# Altium PCB Project_2_Slave_PCB_V1_2.PcbDoc (continued)
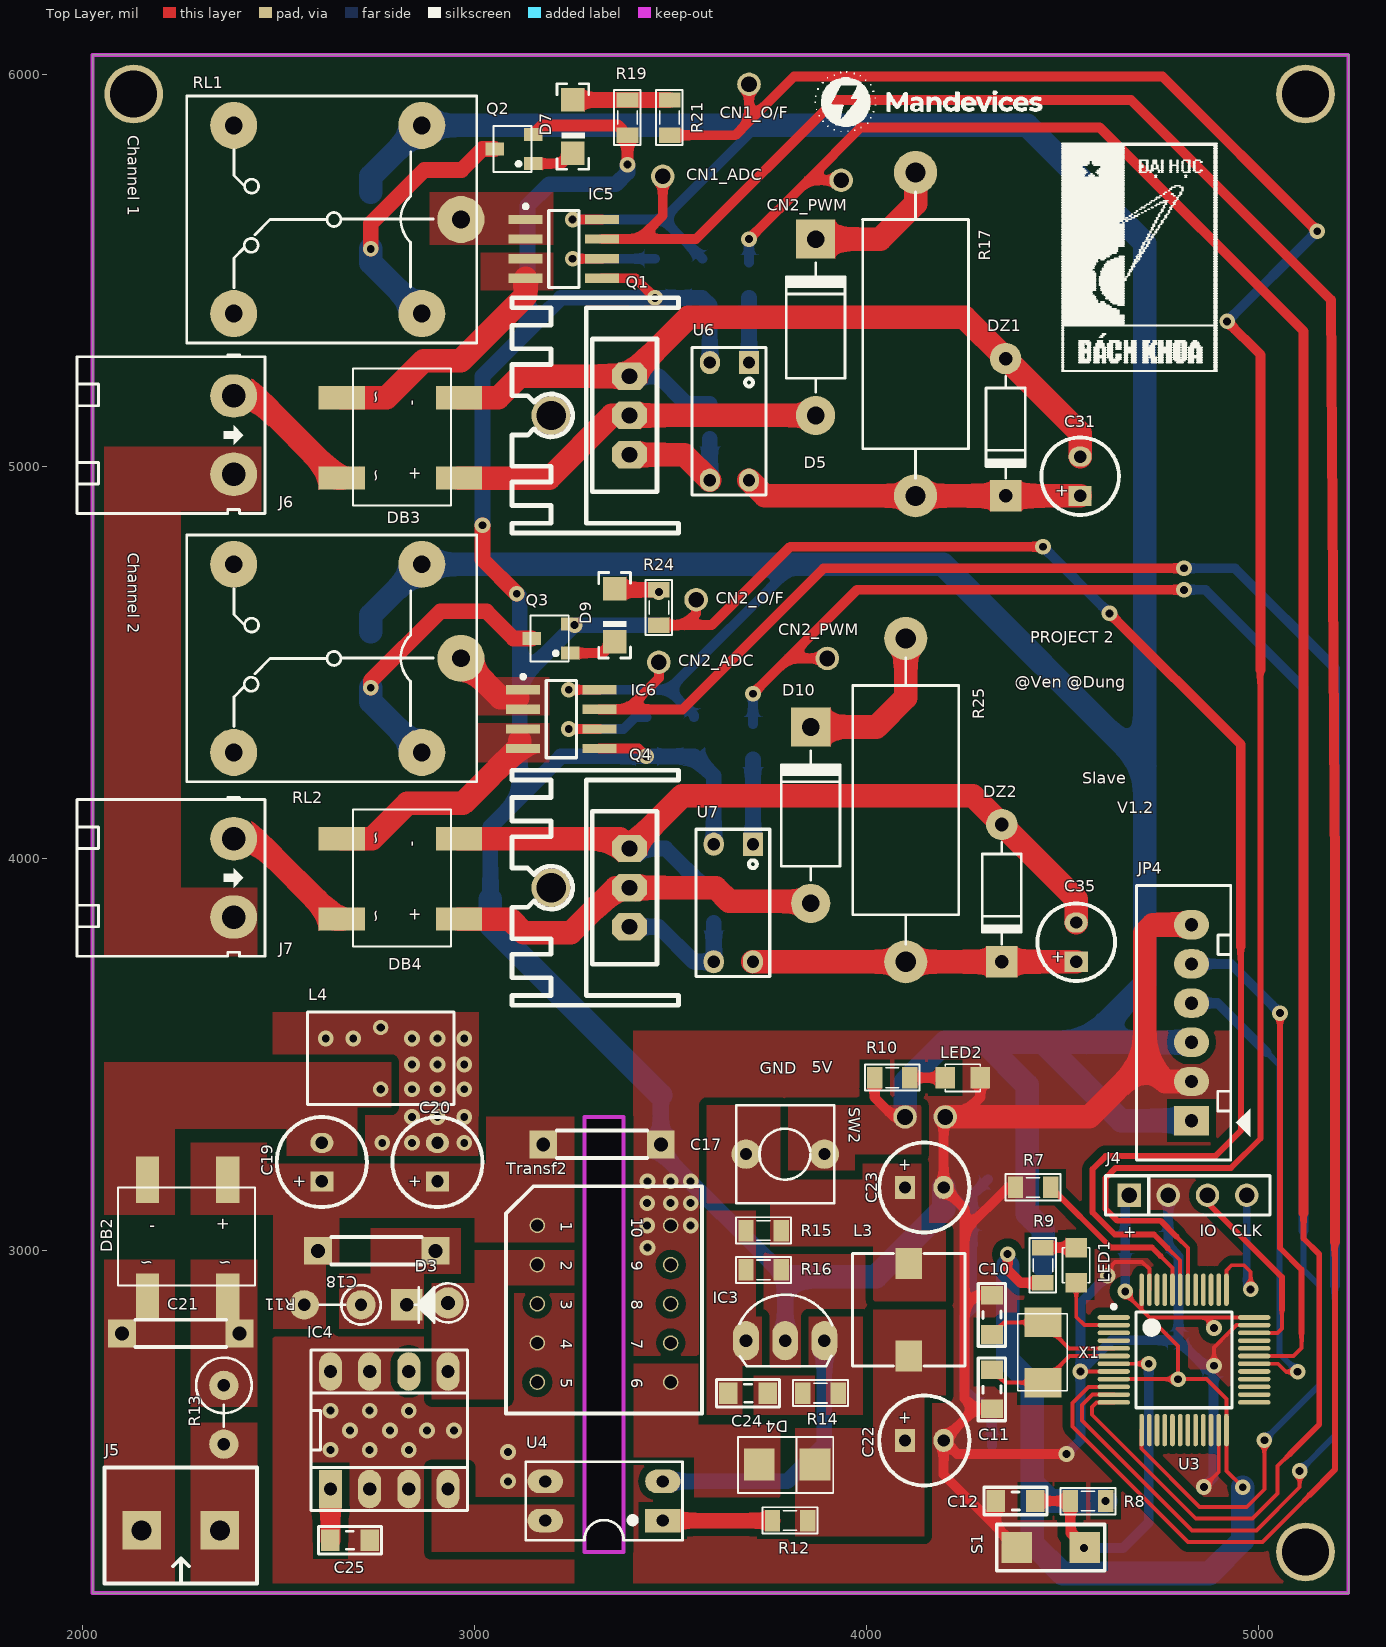
[diagram p0: Top Layer view]
## Footprints (in the part's own frame and the unit in brackets; to place one, negate y for a bottom-side part, rotate by r counter-clockwise, add the part's x,y. Pads: shape width x height; smd on the part's side, far side on the other; paste and mask are expansions set on the pad) (continued)
KF2-5.08 [mm]
  rect 2.5x2.5 hole 1.3: 1(-2.54,0) 2(2.54,0)
  silkscreen extent -4.95,-4.08 4.95,3.43, body extent -5,-4.07 5,3.43, height 10
KF2-5.08T [mil] "Header 2, 2 pin, hight 300mil, Pin to Pin 200, Colour Green"
  oval 110x120 hole 60: 1(0,0) 2(200,0)
  silkscreen extent -105,-400 300,80, body extent -97,-399 297,73, height 334
L-DIP-M-9.5x6 [mm] "Body 9.5x6mm, 2 leads"
  round 1 hole 0.55: 1(-2,0) 2(2,0)
  silkscreen extent -3,-4.75 3,4.75, body extent -2.85,-4.75 2.85,4.75, height 9.75
L-SMD-M-7.3x4.5 [mm] "WE-PDA SMD Shielded Power Inductor, 7345"
  rect 1.7x2 smd: 1(0,3) 2(0,-3)
  silkscreen extent -3.65,-3.65 3.65,3.65, body extent -3.65,-3.65 3.65,3.65, height 4.05
LED-0805-Blue [mil]
  rect 50x55 smd: 1(0,0) 2(90,0)
  silkscreen extent 0,-35 90,35, body extent 5,-25 85,25, height 43
LED-0805-Red [mil]
  rect 50x55 smd: 1(0,0) 2(90,0)
  silkscreen extent 0,-35 90,35, body extent 5,-25 85,25, height 43
LM1117-SOP [mm]
  rect 0.7x2.54 smd: 1(-2.3,-1.27) 2(0,-1.27) 3(2.3,-1.27)
  rect 3x2.54 smd: 2(0,4.826)
  silkscreen extent -3.17,0 3.17,3.56, body extent -3.25,-1.78 3.25,5.18, height 1.68
"LQFP 48" [mm] "LQFP, 48-Leads, Body 7,00x7,00mm, Pitch 0,50mm, IPC Medium Density"
  oval 2.1x0.3 smd: 1(-4.55,2.75) 2(-4.55,2.25) 3(-4.55,1.75) 4(-4.55,1.25) 5(-4.55,0.75) 6(-4.55,0.25) 7(-4.55,-0.25) 8(-4.55,-0.75) 9(-4.55,-1.25) 10(-4.55,-1.75) 11(-4.55,-2.25) 12(-4.55,-2.75) 25(4.55,-2.75) 26(4.55,-2.25) 27(4.55,-1.75) 28(4.55,-1.25) 29(4.55,-0.75) 30(4.55,-0.25) 31(4.55,0.25) 32(4.55,0.75) 33(4.55,1.25) 34(4.55,1.75) 35(4.55,2.25) 36(4.55,2.75)
  oval 0.3x2.1 smd: 13(-2.75,-4.55) 14(-2.25,-4.55) 15(-1.75,-4.55) 16(-1.25,-4.55) 17(-0.75,-4.55) 18(-0.25,-4.55) 19(0.25,-4.55) 20(0.75,-4.55) 21(1.25,-4.55) 22(1.75,-4.55) 23(2.25,-4.55) 24(2.75,-4.55) 37(2.75,4.55) 38(2.25,4.55) 39(1.75,4.55) 40(1.25,4.55) 41(0.75,4.55) 42(0.25,4.55) 43(-0.25,4.55) 44(-0.75,4.55) 45(-1.25,4.55) 46(-1.75,4.55) 47(-2.25,4.55) 48(-2.75,4.55)
  silkscreen extent -4.67,-3.1 3.1,3.57, body extent -4.5,-4.5 4.5,4.5, height 1.6
OPTO [mm]
  rect 1.5x1.3 hole 0.8: 1(-0.025,0)
  oval 1.5x1.3 hole 0.8: 2(-0.025,-2.54) 3(7.595,-2.54) 4(7.595,0)
  silkscreen extent -0.99,-3.68 8.56,1.09, body extent -0.13,-3.59 7.75,1, height 4.81
qto-92 [mil] "TO-92"
  oval 66x100 hole 32: 1(-100,0) 2(0,0) 3(100,0)
  silkscreen extent -117,-65 120,118, body extent -109,-66 109,95, height 245
QTO-220H3 [mil] "TO-220 1-2-3"
  oct 70x90 hole 40: 1(0,0) 2(100,0) 3(200,0)
  round 100 hole 75: ""(100,200)
  silkscreen extent -200,-125 400,300, body extent -190,-102 392,323, height 984
RES-1/4WD [mil]
  round 75 hole 31.5: 1(-65,0) 2(80,0)
  silkscreen extent -115,-50 40,50, body extent -112,-45 92,46, height 379
RES-1WD [mil]
  round 75 hole 31.5: 1(-65,0) 2(85,0)
  silkscreen extent -136,-71 40,71, body extent -135,-67 105,67, height 498
RES-2W [mil] "R2W, 2 pin, 700mil"
  round 110 hole 51.18: 1(-405,5) 2(420,5)
  silkscreen extent -355,-130 375,140, body extent -428,-126 446,134, height 277
RES-SMD-0805 [mil]
  rect 39.37x55 smd: 1(-45,0) 2(45,0)
  silkscreen extent -70,-34 70,33, body extent -39,-25 39,25, height 31
RL_SPDT_10A [mil] "Relay SPDT, 5 pin, 10A,W 650mil, L 800mil, H 800mil"
  round 120 hole 45: 1(0,0) 2(580,240) 3(580,-240) 4(100,-240) 5(100,240)
  silkscreen extent -40,-315 700,315
SOIC-8 [mm] "SOIC, 8-Leads, Body 5,0x4,0mm (max), Pitch 1,27mm, IPC Medium Density"
  rect 2.2x0.6 smd: 1(-2.475,1.905) 2(-2.475,0.635) 3(-2.475,-0.635) 4(-2.475,-1.905) 5(2.475,-1.905) 6(2.475,-0.635) 7(2.475,0.635) 8(2.475,1.905)
  silkscreen extent -2.6,-2.5 0.98,2.88, body extent -3.2,-2.5 3.2,2.5, height 1.75
SOT23D [mm] "SOT 23C - 1-3-2 - BCE"
  rect 0.85x1.2 smd: 1(-0.95,-1.25) 2(0.94,-1.245) 3(0,1.25)
  silkscreen extent -1.5,-1.14 1.5,1.32, body extent -1.5,-1.17 1.5,1.33, height 1.06
SW2 [mil] "SW button 2pin, 250x 250 mil"
  round 75 hole 31: 1(0,0) 2(200,0)
  silkscreen extent -25,-125 225,125
"SW 3x2x4" [mm]
  rect 2x2 smd: 1(-2.2,0) 2(2.2,0)
  silkscreen extent -3.5,-1.5 3.5,1.5, body extent -2.45,-1.45 2.45,1.45, height 2
"Transformer EE12.7" [mm]
  round 1 hole 0.8: 1(-5.08,-4.318) 2(-2.54,-4.318) 3(0,-4.318) 4(2.54,-4.318) 5(5.08,-4.318) 6(5.08,4.318) 7(2.54,4.318) 8(0,4.318) 9(-2.54,4.318) 10(-5.08,4.318)
  silkscreen extent -7.62,-6.35 7.11,6.35
"XTAL 5032 SMD" [mm] "SMD 5032 XTAL Footprint"
  rect 1.9x2.4 smd: 1(-1.981,0) 2(1.93,0)
  silkscreen extent -2.51,-1.57 2.49,1.63, body extent -2.5,-1.6 2.5,1.6, height 1.31

## Part data
C10 C11 C12 C13 C14 C15 C16 C24 C25 C27 C29 C30 C32 C33 C34: library part CapSMD, "Capacitor", LatestRevisionDate=17-Jul-2002, LatestRevisionNote="Re-released for DXP Platform.", PackageReference=RAD-0.3, Published=8-Jun-2000, Publisher="Altium Limited"
C17 C18: library part Cap2KV, "CAP CERAMIC", LatestRevisionDate=17-Jul-2002, LatestRevisionNote="Re-released for DXP Platform.", PackageReference=RAD-0.3, Published=8-Jun-2000, Publisher="Altium Limited"
C19 C20 C22 C23: library part "Cap Pol", "Polarized Capacitor (Axial)", LatestRevisionDate=17-Jul-2002, LatestRevisionNote="Re-released for DXP Platform.", PackageReference=POLAR0.8, Published=8-Jun-2000, Publisher="Altium Limited"
C21: library part Cap2KV, "Varistor", LatestRevisionDate=17-Jul-2002, LatestRevisionNote="Re-released for DXP Platform.", PackageReference=RAD-0.3, Published=8-Jun-2000, Publisher="Altium Limited"
C26 C28: library part CapSMD, "Capacitor SMD", LatestRevisionDate=17-Jul-2002, LatestRevisionNote="Re-released for DXP Platform.", PackageReference=RAD-0.3, Published=8-Jun-2000, Publisher="Altium Limited"
C31 C35: "Polarized Capacitor (Axial)", LatestRevisionDate=17-Jul-2002, LatestRevisionNote="Re-released for DXP Platform.", PackageReference=POLAR0.8, Published=8-Jun-2000, Publisher="Altium Limited"
D3: library part "Diode SMD", "Diode Schottky / 1N4937", Code - JEDEC=DO-214-AB, Published=8-Jun-2000, Publisher="Altium Limited", Revision="July-2002: Re-released for DXP Platform."
D4: library part "Diode SMD", "Diode Schottky / 1N5819", Code - JEDEC=DO-214-AB, Published=8-Jun-2000, Publisher="Altium Limited", Revision="July-2002: Re-released for DXP Platform."
D5 D10: library part D1A, "Diode 1A"
D6 D7 D8 D9: library part 1N5822, "Schottky Rectifiers"
DB2: library part "Diode Bridge Flate"
DB3 DB4: "Diode Bridge"
DZ1 DZ2: library part Zener
IC3: "Programmable Shunt Regulator"
IC4: "Enhanced, Energy Efficient, Low Power Off-line Switcher"
IC5 IC6: library part ACS712
J4: "WR-PHD 2.54 mm Angled Socket Header", Manufacturer="W¨¹rth Elektronik eiSos GmbH", partNo=613004143121, ComponentLink1 Description=Manufacturer, ComponentLink1URL=http://www.we-online.com, ComponentLink2 Description=Datasheet, ComponentLink2URL=http://katalog.we-online.de/em/datasheet/6130xx143121.pdf, Created by="Karrer Zheng", Created Date="29 March 2013", NoPins=04
J5 J6 J7: library part KF2, Manufacturer="Würth Elektronik eiSos GmbH", partNo=691103110002, ComponentLink1 Description=Manufacturer, ComponentLink1URL=http://www.we-online.com, ComponentLink2 Description=Datasheet, ComponentLink2URL=http://katalog.we-online.de/em/datasheet/6911031100xx.pdf, Created by="Karrer Zheng", Created Date="29 October 2013", NoPins=2
JP4: "PLC module"
L3 L4: library part L-DIP-1, "Inductor"
LED1 LED2: "LED Single colour Green and Red"
Q1 Q4: "MOSFET N - CHANNEL 500V - 0.75 - 8A - TO-220"
Q2 Q3: "NPN 600mW, ECB", =C2383
R7 R8 R9 R10 R11 R12 R13 R14 R15 R16 R19 R20 R21 R22 R23 R24 R27 R28: library part "Resistor - SMD", "Resistor", Manufacturer="Generic Components", Class=Passive, Published=08/06/2000, Publisher="Altium Hobart Technology Centre"
R17 R18 R25 R26: library part "Resistor - DIP", "Resistor - DIP"
RL1 RL2: library part "Relay 1", "Relay SPDT,10A - 12VDC 5 Pin", ="Relay SPDT, 10A, 24V"
S1: "Switch", LatestRevisionDate=17-Jul-2002, LatestRevisionNote="Re-released for DXP Platform.", PackageReference=SPST-2, Published=24-Mar-1999, Publisher="Altium Limited"
SW2: library part SW2, "Switch button 2 pin"
Transf2: library part "Tranformer EE16"
U4 U6 U7: "Single Opto"
U5: "800mA Low-Dropout Linear Regulator", Creator="Nguyen Ba Bien", Website=http://group3i.net
X1: library part XT2, "Crystal For all Crystal 2pin."

## Free pads (board coordinates)
  round 150 hole 120: 0(2130,5950) 0(5120,2230) 0(5120,5950)
  round 60 hole 40: 4(3480,5740) 5(3470,4500) 6(4098.16,3340) 6(4200.51,3340) 7(3900,4510) 8(3565,4660) 9(3700,5975) 10(3935,5730)

## Via types
v1: diameter 40, hole 20, Top Layer to Bottom Layer, 77 vias

## Nets (pads, with @x,y where several pads share a name; then routed paths per layer and width w, separated by ;. In a path a pad name is that pad's centre, name@x,y a point inside that pad or via, vN(x,y) a via of type N, cw(c..) or ccw(c..) an arc to the next point about the centre after c; other vN are vias at no path point)
3.3V: 
3V3: C13.2 C14.2 C15.2 C16.2 C28.2 C29.2 J4.1 R8.2 R9.2 U3.9 U3.24 U3.36 U3.48 U5.2 | length 3264.4
  Top Layer w10: U3.9 v1(4795,2670.79) ; v1(4660,2895) 4660,2890 4701.73,2848.27 ; U3.48 4701.73,2848.27 ; v1(4886.63,2801.63) 4891.63,2801.63 4865,2828.27 ; v1(4960,2395) 4918.27,2436.73 U3.24 4918.27,2620 4867.48,2670.79 v1(4795,2670.79) ; U3.36 4865,2828.27 ; 4701.73,2848.27 4721.73,2828.27 ; 4721.73,2828.27 4795,2755 v1(4795,2670.79) ; 4721.73,2828.27 4865,2828.27
  Top Layer w25: v1(4360,2990) 4360,2950 4393.39,2916.61 R9.2
  Bottom Layer w25: v1(4660,2895) C14.2 4660,3130 J4.1
  Bottom Layer w60: U5.2@4360,2960 4360,2720 4422.99,2657.01 C28.2 4422.99,2407.01 ; v1(4610,2360) 4470,2360 4422.99,2407.01 ; v1(4960,2395) C13.2 4960,2260 4875,2175 4500,2175 4422.99,2252.01 4422.99,2407.01
5V: C26.2 C27.2 C30.1 C33.1 D6.2 D8.2 IC5.8 IC6.8 JP4.1 JP4.3 pad.6@4098.16,3340 R10.2 RL1.4 RL2.4 SW2.2 U5.3 | length 10352.5
  Top Layer w25: v1(3240,4430) IC6.8 ; v1(3250,5630) IC5.8 ; R10.2 4020.51,3390 4070.51,3340 pad.6@4098.16,3340
  Bottom Layer w25: v1(3240,4430) 3495,4430 ; v1(3250,5630) 3481,5630 ; C33.1 3560,4365 3495,4430 ; C30.1 3481,5630 ; 3720,5870 3720,5869 3481,5630 ; 3815,4750 3495,4430
  Bottom Layer w60: D8.2 2735,4620 RL2.4 3815,4750 4195,4750 4710,4235 ; D6.2 2735,5740 RL1.4 3720,5870 4410,5870 4710,5570 4710,4235 ; pad.6@4098.16,3340 4098.16,3428.16 4200.42,3530.42 4300,3530.42 ; U5.3 4450.55,3052.44 C26.2 4410,3092.99 C27.2 4410,3420.42 4300,3530.42 ; JP4.1 4650,3330.42 4450,3530.42 ; JP4.3 4560.42,3530.42 ; 4300,3530.42 4450,3530.42 ; 4450,3530.42 4560.42,3530.42 ; 4560.42,3530.42 4710,3680 4710,4235
AC1: C21.2 DB2.2 J6.2 J7.2 R13.1
AC2: C21.1 DB2.3 J5.2 RL1.3 RL2.3
CS: 
DC: 
GND: C10.2 C11.2 C12.1 C13.1 C14.1 C15.1 C16.1 C17.1 C22.2 C23.2 C26.1 C27.1 C28.1 C29.1 C30.2 C32.1 C33.2 C34.1 IC3.2 IC5.5 IC6.5 J4.2 JP4.2 JP4.6 LED2.2 pad.6@4200.51,3340 Q2.2 Q3.2 R7.2 R16.2 R19.2 R22.1 R23.2 R27.1 S1.1 Transf2.10 U3.8 U3.23 U3.35 U3.47 U5.1 U6.2 U7.2 | length 12825.4
  Top Layer w10: v1(4545.63,2690.47) U3.8 ; v1(4615,2935) 4615,2950.85 4634.15,2970 4703.18,2970 4721.42,2951.77 U3.47 ; v1@4860,2395 v1(4860.62,2395.62) 4898.58,2433.58 U3.23 ; v1(4886.63,2705) 4886.63,2751.63 4943.58,2808.58 U3.35
  Top Layer w25: IC6.5 3418,4280 v1(3438,4260) ; IC5.5 3410,5480 v1(3460,5430) ; pad.6@4200.51,3340 4196.59,3336.08 C23.2 4250,3106.59 4250,3050 ; 4240.51,3340 4290.51,3390 LED2.2 ; C11.2 4276.98,2594.84 ; C10.2 4279.84,2884.84 4250,2855 ; C12.1 4330,2294.39 ; R7.2 4360.35,3160.35 4250,3050 ; S1.1 4330,2294.39 ; v1(4510,2480) 4231.04,2480 C22.2 ; C22.2 4196.59,2427.8 4330,2294.39 ; C22.2 4276.98,2594.84 ; 4250,2855 4250,3050 ; 4250,2855 4250,2621.82 4276.98,2594.84
  Top Layer w30: Q2.2 3172,5870 3365,5870 R19.2 v1(3390,5770)
  Top Layer w40: v1(3020,4850) 3020,4762.5 v1(3107.5,4675)
  Top Layer w60: pad.6@4200.51,3340 4240.51,3340 4567.99,3340 4710,3482.01 ; JP4.2 4761.59,3430.42 4710,3482.01 ; JP4.6 4730.42,3830.42 4710,3810 4710,3482.01
  Bottom Layer w25: C23.2 C26.1@4269.45,3087.14 ; C27.1 4269.45,3140.45 C26.1@4269.45,3087.14 ; C29.1 4320,2573.16 C28.1 4250,2643.16 4250,2830.55 4269.45,2850 U5.1 C26.1@4269.45,3087.14 ; v1(4510,2480) 4545.63,2515.63 v1(4545.63,2690.47) ; v1(4615,2935) 4545.63,2865.63 v1(4545.63,2690.47) ; J4.2 4770,3010 4796,2984 C16.1 ; v1(4860.62,2395.62) 4885,2420 C15.1@4885,2681 ; C15.1@4873.82,2692.18 C16.1 ; v1(4545.63,2690.47) 4625.16,2770 C16.1
  Bottom Layer w40: v1(3020,4850) 3020,5230 3135,5345 ; 3040,3895 3040,4080 3115,4155 ; v1(3107.5,4675) 3115,4667.5 3115,4455 ; v1(3390,5770) 3390,5750 3360,5720 3190,5720 3135,5665 3135,5345 ; R23.2 v1(3255,4595) 3115,4455 ; 3475.04,3394.96 C17.1 3475.04,3249.87 3792.38,2932.53 IC3.2 ; U6.2 3600,5411 C30.2 v1(3460,5430) 3220,5430 3135,5345 ; U7.2 3610,4210 C33.2 C34.1 v1(3438,4260) 3220,4260 3115,4155 ; 3115,4155 3115,4455
  Bottom Layer w60: 3040,3895 3040,3830 3475.04,3394.96 ; 3792.38,2932.53 4024.19,2932.53 4196.59,3104.93 C23.2
  other v1: 3440.79,3006.61 3440,3063.18 3551.11,3063.18 3440,3120 3500,3120 3551.11,3120 3440.79,3175.5 3500,3175.5 3551.11,3175.5
GND1: C31.2 DB3.4 DZ1.1 Q1.3 R18.1 | length 2086.1
  Top Layer w60: DB3.4 3060,5175 3115,5230 Q1.3 3545,5380 4250,5380 DZ1.1 4545,5085 C31.2
  Bottom Layer w40: Q1.3 3470,5230 3540,5160 R18.1
GND2: C35.2 DB4.4 DZ2.1 Q4.3 R26.1 | length 2067
  Top Layer w60: DB4.4 3370,4050 Q4.3 3530,4160 4271,4160 DZ2.1 4535,3896 C35.2
  Bottom Layer w40: Q4.3 3487,4025 3587,3925 R26.1
GND_IN: C20.2 C25.1 IC4.2 IC4.3 IC4.7 IC4.8 L4.2 Transf2.4 U4.3
  other v1: 3085,2410 3085,2484.84 2631.99,2490.5 2731.99,2490 2831.99,2490 2682.01,2540 2784.06,2540 2878.49,2540 2947.01,2540 2631.99,2590.5 2731.99,2590.5 2831.99,2590 2764.07,3273.93 2840,3273.93 2973.2,3273.93 2840,3340 2905,3340 2973.51,3340 2840,3410.76 2904.99,3410.76 2973.51,3410.64 2840,3473.81 2904.99,3473.81 2973.51,3473.84 2620,3540 2690,3540 2840,3540 2904.99,3540 2973.51,3540
I1_IN: IC5.1 IC5.2 RL1.1
I1_OUT: DB3.3 IC5.3 IC5.4 | length 621.7
  Top Layer w60: DB3.3 2775,5175 2870,5270 2965,5270 3130,5435 IC5.4
I2_IN: IC6.1 IC6.2 RL2.1 | length 186.4
  Top Layer w60: RL2.1 3065,4410 3110,4410
I2_OUT: DB4.3 IC6.3 IC6.4 | length 566.3
  Top Layer w60: DB4.3 2738,4050 2828,4140 2970,4140 3115,4285 3115,4300
LED: 
MOSI: 
NetC1_2: 
NetC2_2: 
NetC3_2: 
NetC5_1: 
NetC5_2: 
NetC6_1: 
NetC7_1: 
NetC8_1: 
NetC8_2: 
NetC9_2: 
NetC17_2: C17.2 C18.1 C19.1 C20.1 DB2.1 R11.2 Transf2.1
NetC18_2: C18.2 D3.2 R11.1
NetC19_2: C19.2 DB2.4 L4.1
NetC22_1: C22.1 D4.2 L3.1 R12.1
NetC23_1: C23.1 L3.2 R15.1 SW2.1
NetC24_1: C24.1 IC3.1 R15.2 R16.1
NetC24_2: C24.2 R14.2
NetC25_2: C25.2 IC4.1 | length 130.5
  Top Layer w50: C25.2 IC4.1
NetC31_1: C31.1 DZ1.2 R17.2 U6.4 | length 861.6
  Top Layer w60: U6.4 3740,4925 R17.2 DZ1.2 C31.1
NetC32_2: C32.2 IC5.6 | length 284.9
  Top Layer w25: v1(3250,5530) IC5.6
  Bottom Layer w25: v1(3250,5530) C32.2
NetC34_2: C34.2 IC6.6 | length 289.9
  Top Layer w25: v1(3240,4330) IC6.6
  Bottom Layer w25: v1(3240,4330) 3380,4330 3410,4360 C34.2
NetC35_1: C35.1 DZ2.2 R25.2 U7.4 | length 825
  Top Layer w60: U7.4 R25.2 DZ2.2 C35.1
NetD1_1: 
NetD2_1: 
NetD3_1: D3.1 IC4.5 Transf2.2
NetD4_1: D4.1 Transf2.6
NetD5_1: D5.1 DB3.1 Q1.2 | length 976.3
  Top Layer w60: DB3.1 3190,4970 3350,5130 Q1.2 D5.1
NetD5_2: D5.2 R17.1 | length 372.3
  Top Layer w60: D5.2 4035,5580 4125,5670 R17.1
NetD6_1: D6.1 Q2.3 RL1.5 | length 678.3
  Top Layer w40: v1(2735,5555) 2735,5620 2871.2,5756.2 2966.2,5756.2 3020,5810 Q2.3
  Bottom Layer w60: v1(2735,5555) 2735,5520 RL1.5
NetD7_1: D7.1 R19.1 R21.1 | length 247.2
  Top Layer w40: D7.1 R19.1 R21.1
NetD7_2: D7.2 Q2.1 | length 111.8
  Top Layer w25: Q2.1 3223.42,5772.6 D7.2
NetD8_1: D8.1 Q3.3 RL2.5 | length 749.5
  Top Layer w40: v1(2735,4435) 2735,4453 2912,4630 3030,4630 3099,4561 Q3.3
  Bottom Layer w60: v1(2735,4435) 2735,4400 RL2.5
NetD9_1: D9.1 R23.1 R24.1 | length 113.2
  Top Layer w40: D9.1@3356.83,4685 R24.1
  other v1: 3470.01,4679.36
NetD9_2: D9.2 Q3.1 | length 124.4
  Top Layer w25: Q3.1 3328.34,4523.6 D9.2
NetD10_1: D10.1 DB4.1 Q4.2 | length 976.2
  Top Layer w60: DB4.1 3090,3845 3125,3810 3245,3810 3360,3925 Q4.2 3615,3925 3650,3890 3852.5,3890 D10.1
NetD10_2: D10.2 R25.1 | length 424.6
  Top Layer w60: D10.2 4025,4335 4100,4410 R25.1
NetDB3_2: DB3.2 J6.1 | length 363
  Top Layer w60: J6.1 2440,5180 2650,4970 DB3.2
NetDB4_2: DB4.2 J7.1 | length 360.9
  Top Layer w60: J7.1 2440,4050 2645,3845 DB4.2
NetIC1_3: 
NetIC2_4: 
NetIC3_3: IC3.3 R14.1 U4.2 | length 715.7
  Bottom Layer w40: U4.2 3797.38,2410 3892.38,2505 IC3.3
NetIC4_4: IC4.4 U4.4
NetIC5_7: IC5.7 pad.4 U3.10 | length 6440
  Top Layer w10: U3.10 4566.1,2651.1 4525,2610 4525,2550 4820,2255 5010,2255 5130,2375
  Top Layer w15: 5130,2375 5195,2440 5195,3020
  Top Layer w25: IC5.7 3420,5580 ; pad.4 3480,5640 3420,5580 ; 5195,3020 5195,3965 5185,5425 4675,5935 3920,5935 3565,5580 3420,5580
NetIC6_7: IC6.7 pad.5 U3.11 | length 5260.1
  Top Layer w10: U3.11 4576.42,2631.42 4550,2605 4550,2565 4830,2285 4995,2285 5105,2395 v1(5105,2436.73)
  Top Layer w25: IC6.7 3390,4380 ; pad.5 3470,4460 3390,4380 ; v1(4810,4740) 3890,4740 3530,4380 3390,4380
  Bottom Layer w15: v1(5105,2436.73) 5195,2526.73 5195,2910
  Bottom Layer w25: v1(4810,4740) 4940,4740 5195,4485 5195,2910
NetJ3_2: 
NetJ5_1: J5.1 R13.2
NetJP3_4: 
NetJP3_5: 
NetJP4_4: JP4.4 U3.30 | length 1211
  Top Layer w10: U3.30 5049.84,2710.16 5070.16,2689.84 v1(5100,2689.84)
  Bottom Layer w15: 5020.83,3505 5053.92,3471.91 5053.92,2735.92 v1(5100,2689.84)
  Bottom Layer w25: JP4.4 4895.42,3630.42 5020.83,3505
NetJP4_5: JP4.5 U3.31 | length 1284.9
  Top Layer w10: U3.31 5089.84,2729.84 5110,2750 5110,2787.5
  Top Layer w15: v1(5055,3605) 5055,3005.39 5110,2950.39 5110,2787.5
  Bottom Layer w25: JP4.5 4929.58,3730.42 v1(5055,3605)
NetLED1_1: LED1.1 R9.1 | length 85
  Top Layer w25: R9.1 LED1.1
NetLED1_2: LED1.2 U3.2 | length 191.4
  Top Layer w10: LED1.2 4535,2830 4556.42,2808.58 U3.2
NetLED2_1: LED2.1 R10.1 | length 90
  Top Layer w25: R10.1 LED2.1
NetQ1_1: Q1.1 R18.2 U6.3 | length 336.9
  Top Layer w60: Q1.1 3535,5030 U6.3
  Bottom Layer w40: U6.3 R18.2
NetQ4_1: Q4.1 R26.2 U7.3 | length 350.9
  Bottom Layer w40: Q4.1 3470,3825 3559,3736 U7.3 R26.2
NetR2_2: 
NetR7_1: R7.1 U3.44 | length 451.1
  Top Layer w10: 4750,2985 4780.47,2954.53 U3.44
  Top Layer w15: R7.1 4623.74,3006.61 4728.39,3006.61 4750,2985
NetR12_2: R12.2 U4.1 | length 280
  Top Layer w40: U4.1 R12.2
NetR20_1: R20.1 R22.2 U6.1 | length 165
  Bottom Layer w40: U6.1 R20.1
NetR20_2: pad.10 R20.2 U3.12 | length 5610.9
  Top Layer w10: U3.12 4586.73,2611.73 4575,2600 4575,2580 4840,2315 4985,2315 5048.9,2378.9 5048.9,2448.9 5080,2480
  Top Layer w15: 5080,2480 5155,2555 5155,2990 5115,3030 5115,3095
  Top Layer w25: v1(3700,5580) 3850,5730 ; pad.10 3850,5730 ; 5115,3095 5115,3936.98 5115,5345 4595,5865 3985,5865 3850,5730
  Bottom Layer w25: R20.2 v1(3700,5580)
NetR21_2: pad.9 R21.2 U3.42 | length 5289.6
  Top Layer w10: 4790.39,3035 4819.84,3005.55 U3.42
  Top Layer w15: 4790.39,3035 4750.39,3075 4640,3075 4610,3105 4610,3184.14 4635.86,3210 4930,3210 5005,3285 5005,4480
  Top Layer w25: R21.2@3500,5845 3665,5845 3700,5880 ; pad.9 3700,5880 ; v1(4920,5370) 5005,5285 5005,4480 ; v1(5150,5600) 4755,5995 3815,5995 3700,5880
  Bottom Layer w25: v1(4920,5370) v1(5150,5600)
NetR24_2: pad.8 R24.2 U3.43 | length 3717.4
  Top Layer w10: 4768.12,3005.55 4799.38,2974.29 4799.38,2899.91 U3.43
  Top Layer w15: 4768.12,3005.55 4733.67,3040 4633.18,3040 4576.73,3096.45 4576.73,3206.73 4610,3240 4890,3240 4955,3305 4955,3775
  Top Layer w25: R24.2 3535,4595 ; pad.8 3565,4625 3535,4595 ; v1(4450,4795) 3805,4795 3605,4595 3535,4595 ; v1(4620,4625) 4955,4290 4955,3775
  Bottom Layer w25: v1(4450,4795) v1(4620,4625)
NetR27_2: R27.2 R28.1 U7.1 | length 216
  Bottom Layer w40: U7.1 R28.1
NetR28_2: pad.7 R28.2 U3.13 | length 4356.8
  Top Layer w10: U3.13 4701.73,2493.27 4850,2345 4970,2345 5015,2390 v1(5015,2515)
  Top Layer w25: v1(3710,4420) 3800,4510 ; pad.7 3800,4510 ; v1(4810,4685) 3975,4685 3800,4510
  Bottom Layer w15: v1(5015,2515) 5155,2655 5155,2910 5115,2950 5115,3049.57
  Bottom Layer w25: R28.2 v1(3710,4420) ; v1(4810,4685) 4865,4685 5115,4435 5115,3049.57
OSC1: C10.1 U3.5 X1.2 | length 351.2
  Top Layer w10: C10.1 4351,2815.84 X1.2 4516.31,2749.53 U3.5
OSC2: C11.1 U3.6 X1.1 | length 352.7
  Top Layer w10: C11.1 4353,2661.84 X1.1 4518,2729.84 U3.6
RS: 
RST: C12.2 R8.1 S1.2 U3.7 | length 909.9
  Top Layer w10: U3.7 v1(4720,2710.16)
  Top Layer w25: C12.2 R8.1 4520,2277.62 S1.2@4556.31,2241.31
  Bottom Layer w25: v1(4555,2240) 4655,2240 4720,2305 v1(4720,2710.16)
RX2: 
SCK: 
SCL: 
SDA: 
SWCLK: J4.4 U3.37 | length 412.5
  Top Layer w10: U3.37 4918.27,2948.58 4931.14,2961.45 4963.55,2961.45 4980,2945 v1(4980,2900)
  Bottom Layer w20: J4.4 4970,2910 v1(4980,2900)
SWDIO: J4.3 U3.34 | length 494.2
  Top Layer w10: U3.34 5048.9,2788.9 5060,2800 5060,2848.11
  Top Layer w15: J4.3 4870,3121.22 5060,2931.22 5060,2848.11
T_CS: 
T_DO: 
T_IQR: 
TX2: 
pads on no net: IC4.6 Q1. Q4. RL1.2 RL2.2 Transf2.3 Transf2.5 Transf2.7 Transf2.8 Transf2.9 U3.1 U3.3 U3.4 U3.14 U3.15 U3.16 U3.17 U3.18 U3.19 U3.20 U3.21 U3.22 U3.25 U3.26 U3.27 U3.28 U3.29 U3.32 U3.33 U3.38 U3.39 U3.40 U3.41 U3.45 U3.46

## Polygon pours and split planes (outlines as drawn)
GND on Top Layer "GND_L01_P144" (solid, remove dead copper, pour order 144): 3405,2125 3405,3560 5230,3560 5230,2125
GND_IN on Top Layer "GND_IN_L01_P140" (solid, remove dead copper, pour order 140): 2485,3607.61 3010,3607.61 3010,3340 3254.51,3340 3254.51,2125 2485,2125
NetD3_1 on Top Layer "NETD3_1_L01_P138" (solid, remove dead copper, pour order 138): 3280,3000 3000,3000 3000,2916 2999.5,2915.5 2890.5,2915.5 2890.5,2620 3080,2620 3080,2910 3280,2910
NetC19_2 on Top Layer "NETC19_2_L01_P136" (solid, remove dead copper, pour order 136): 2235,3090 2055,3090 2055,3480 2786.88,3480 2786.88,3365 2700,3365 2700,3240 2520,3240 2520,3310 2235,3310
NetC17_2 on Top Layer "NETC17_2_L01_P134" (solid, remove dead copper, pour order 134): 2580,3083.18 3000,3083.18 3000,3020 3280,3020 3280,3340 3030,3340 3030,3235.99 3029.01,3235 3029.01,3220 2580,3220
NetC17_2 on Top Layer "NETC17_2_L01_P132" (solid, remove dead copper, pour order 132): 2620,2800 2620,2963.34 2655,2963.34 2655,3220 2470,3220 2470,3273.93 2275,3273.93 2275,3090 2485.98,3090 2485.98,2800
NetC18_2 on Top Layer "NETC18_2_L01_P130" (solid, remove dead copper, pour order 130): 2655,2800 2655,2940 2735,2940 2735,3055.35 2965,3055.35 2965,2940 2870,2940 2870,2800
NetIC4_4 on Top Layer "NETIC4_4_L01_P128" (solid, remove dead copper, pour order 128): 2890,2445.5 2981.99,2445.5 2981.99,2350 3280,2350 3280,2230 2890,2230
5V on Top Layer "5V_L01_P126" (solid, remove dead copper, pour order 126): 3970,3204 3800,3204 3800,3370 4140,3370 4140,3245 3970,3245
NetC23_1 on Top Layer "NETC23_1_L01_P124" (solid, remove dead copper, pour order 124): 3592.38,3120 3592.38,3370 3780,3370 3780,3180 4000,3180 4000,3080 3995,3075 3754.38,3075 3754.38,3120
NetC23_1 on Top Layer "NETC23_1_L01_P122" (solid, remove dead copper, pour order 122): 4017.09,2869.61 4202.38,2869.61 4202.38,3049.57 4201.95,3049.99 4140,3049.99 4140,3220 3990,3220 3990,3100.7 3754.38,3100.7 3754.38,3010 4017.38,3010
NetC23_1 on Top Layer "NETC23_1_L01_P120" (solid, remove dead copper, pour order 120): 4202.38,2888.34
NetD4_1 on Top Layer "NETD4_1_L01_P118" (solid, remove dead copper, pour order 118): 3380,2710 3570,2710 3570,2555 3780,2555 3780,2368.87 3560.3,2369.13 3559.96,2471 3380,2471
I1_IN on Top Layer "I1_IN_L01_P116" (solid, remove dead copper, pour order 116): 3200,5565 2885,5565 2885,5700 3200,5700
I1_OUT on Top Layer "I1_OUT_L01_P114" (solid, remove dead copper, pour order 114): 3015,5450 3200,5450 3200,5545 3015,5545
I2_IN on Top Layer "I2_IN_L01_P106" (solid, remove dead copper, pour order 106): 3005,4365 3190,4365 3190,4462 3005,4462
AC1 on Top Layer "AC1_L01_P112" (solid, remove dead copper, pour order 112): 2445,3750 2055,3750 2055,5050 2456,5050 2456,4885 2250,4885 2250,3925 2445,3925
I2_IN on Top Layer "I2_IN_L01_P104" (solid, remove dead copper, pour order 104): 2995,4259
I2_OUT on Top Layer "I2_OUT_L01_P102" (solid, remove dead copper, pour order 102): 3190,4345 3190,4245 3005,4245 3005,4345
GND on Top Layer "GND_L01_P082" (solid, remove dead copper, pour order 82): 3752.38,2705 3752.38,2990 3832.38,2990 3832.38,2705
NetC24_1 on Top Layer "NETC24_1_L01_P080" (solid, remove dead copper, pour order 80): 3717.38,2825 3717.38,3100 3592.38,3100 3592.38,2825
NetC24_1 on Top Layer "NETC24_1_L01_P078" (solid, remove dead copper, pour order 78): 3682.38,2580 3592.38,2580 3592.38,2830 3732.38,2830 3732.38,2705 3682.38,2705
NetC24_2 on Top Layer "NETC24_2_L01_P076" (solid, remove dead copper, pour order 76): 3867.38,2680 3867.38,2580 3712.38,2580 3712.38,2680
NetIC3_3 on Top Layer "NETIC3_3_L01_P072" (solid, remove dead copper, pour order 72): 3852.38,2830 3990,2830 3990,2580 3897.38,2580 3897.38,2705 3852.38,2705
NetC22_1 on Top Layer "NETC22_1_L01_P064" (solid, remove dead copper, pour order 64): 4017.13,2630 4202.38,2630 4202.38,2848.11 4017.66,2848.11
NetC22_1 on Top Layer "NETC22_1_L01_P060" (solid, remove dead copper, pour order 60): 4017.38,2580 4017.38,2830 4147.38,2830 4147.38,2580
NetC22_1 on Top Layer "NETC22_1_L01_P056" (solid, remove dead copper, pour order 56): 3817.38,2270 3817.38,2545 4017.38,2545 4017.38,2580 4147.38,2580 4147.38,2270
GND_IN on Top Layer "GND_IN_L01_P036" (solid, remove dead copper, pour order 36): 3245,2605
AC1 on Top Layer "AC1_L01_P004" (solid, remove dead copper, pour order 4): 2445,2600 2275,2600 2275,2975 2445,2975
NetJ5_1 on Top Layer "NETJ5_1_L01_P002" (solid, remove dead copper, pour order 2): 2275,2150.49 2275,2560 2445,2560 2445,2150.49
AC2 on Top Layer "AC2_L01_P000" (solid, remove dead copper, pour order 0): 2055,2150 2055,2975 2235,2975 2235,2150
GND on Bottom Layer "GND_L02_P146" (solid, remove dead copper, pour order 146): 3405,3560 3405,2125 5230,2125 5230,3560
GND_IN on Bottom Layer "GND_IN_L02_P142" (solid, remove dead copper, pour order 142): 3254.51,2125 2485,2125 2485,3607.61 2947.01,3607.61 2947.01,3340 3280,3340
AC2 on Bottom Layer "AC2_L02_P110" (solid, pour order 110): 2235,4660 2235,4025 2115,4025 2115,4660
AC2 on Bottom Layer "AC2_L02_P108" (solid, remove dead copper, pour order 108): 2250,5945 2500,5945 2500,5630 2235,5630 2235,4810 2055,4810 2055,5825 2250,5825
AC1 on Bottom Layer "AC1_L02_P010" (solid, remove dead copper, pour order 10): 2445,2600 2445,2975 2445,3755 2445,3925 2275,3925 2275,2850 2275,2600
AC2 on Bottom Layer "AC2_L02_P008" (solid, remove dead copper, pour order 8): 2055,2600 2055,4825 2500,4825 2500,4510 2235,4510 2235,2600
AC2 on Bottom Layer "AC2_L02_P006" (solid, remove dead copper, pour order 6): 2055,2650

## Keep-outs
Keep-Out Layer:
  lines w10: 2025,2125 2025,6050 4560,6050 5229,6050 5229,3550 5229,2756 5229,2125 4575,2125 2025,2125 ; 3280,2230 3380,2230 3380,3340 3355,3340 3305,3340 3280,3340 3280,2317.64 3280,2230

## Silkscreen, mask and mechanical layers (free items; w line width, h text height)
Top Overlay:
  drawing of 1343 lines, arcs and shapes, not listed
  text "CN1_O/F" at 3625,5887.83 h30
  text "Channel 1" at 2115,5845 h30 r270
  text "CN1_ADC" at 3540,5730 h30
  text "CN2_PWM" at 3745,5651.94 h30
  text "Channel 2" at 2115,4780 h30 r270
  text "CN2_O/F" at 3615,4650 h30
  text "CN2_PWM" at 3775,4569 h30
  text "PROJECT 2" at 4418.12,4550 h30
  text "CN2_ADC" at 3520,4490 h30
  text "@Ven @Dung" at 4378.12,4435 h30
  text "Slave" at 4550,4190 h30
  text "V1.2" at 4640,4115 h30
  text "5V" at 3859.57,3452.5 h30
  text "GND" at 3727.38,3450.42 h30
  text "CLK" at 4932.05,3036 h30
  text "IO" at 4850,3035 h30
  text "+" at 4655,3031.61 h30

## Text inside footprints (layer, text, board x,y; h text height)
C19: Top Overlay "+" at 2566,3157.71 h30 r90
C20: Top Overlay "+" at 2861,3157.71 h30 r90
C22: Top Overlay "+" at 4080.38,2558.45 h30
C23: Top Overlay "+" at 4080.38,3204 h30
C31: Top Overlay "+" at 4512,4920 h30 r90
C35: Top Overlay "+" at 4502,3731 h30 r90
DB2: Top Overlay "~" at 2180,2955 h30; Top Overlay "~" at 2380,2955 h30; Top Overlay "-" at 2185,3050 h30; Top Overlay "+" at 2345,3050 h30 r270
DB3: Top Overlay "~" at 2735,5160 h30 r270; Top Overlay "~" at 2735,4960 h30 r270; Top Overlay "-" at 2830,5155 h30 r270; Top Overlay "+" at 2830,4995 h30 r180
DB4: Top Overlay "~" at 2735,4035 h30 r270; Top Overlay "~" at 2735,3835 h30 r270; Top Overlay "-" at 2830,4030 h30 r270; Top Overlay "+" at 2830,3870 h30 r180
Transf2: Top Overlay "10" at 3400,3083.18 h30 r270; Top Overlay "9" at 3400,2973.18 h30 r270; Top Overlay "8" at 3400,2873.18 h30 r270; Top Overlay "7" at 3400,2773.18 h30 r270; Top Overlay "6" at 3400,2673.18 h30 r270; Top Overlay "5" at 3220,2673.42 h30 r270; Top Overlay "4" at 3220,2773.18 h30 r270; Top Overlay "3" at 3220,2873.18 h30 r270; Top Overlay "2" at 3220,2973.18 h30 r270; Top Overlay "1" at 3220,3073.18 h30 r270